# Altium PCB 主控板20160428.PcbDoc (part 1 of 3)
Units mm, origin at the board's own origin, x right, y up, seen from the top; angles counter-clockwise.
Board outline 105 x 80 mm, 2 copper layers (Top Layer, Bottom Layer); 88 components, 152 nets, 500 pads, 192 vias.
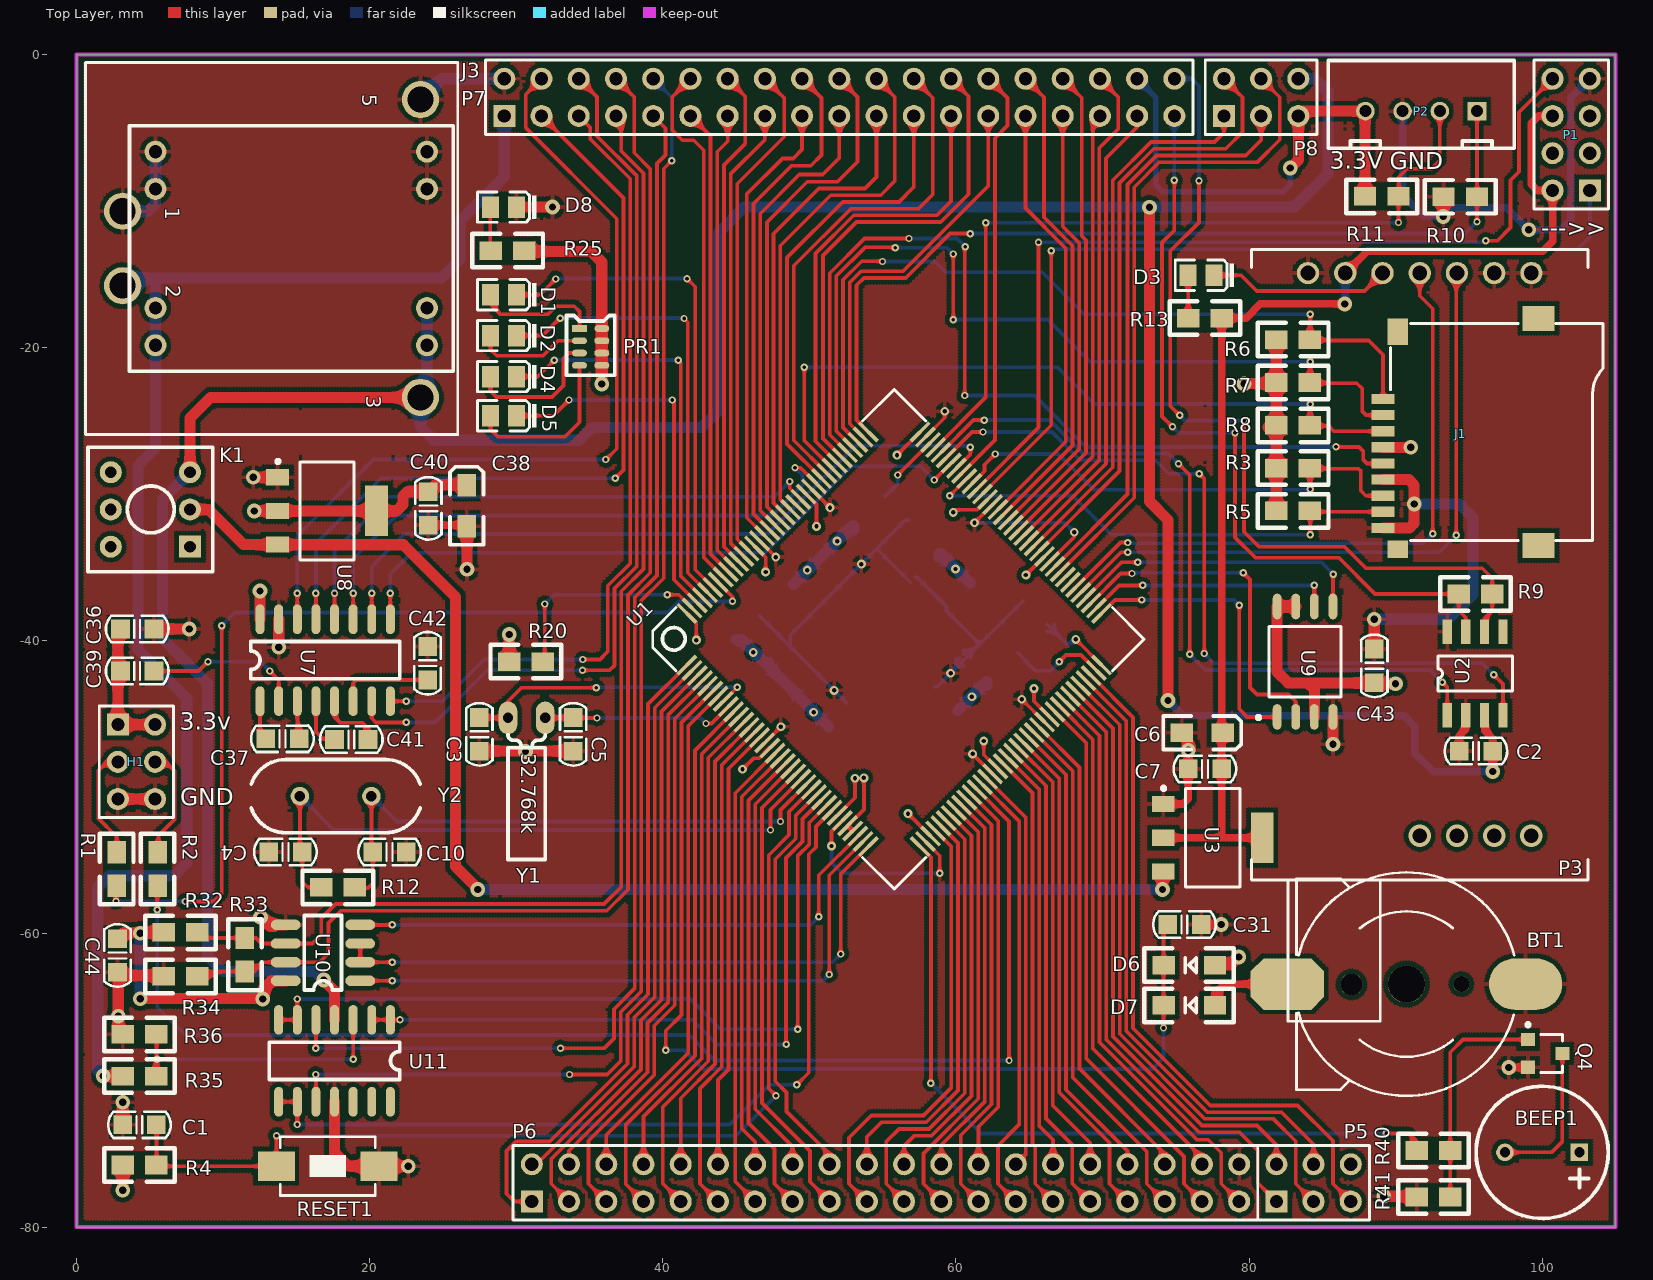
[diagram p0: Top Layer view]
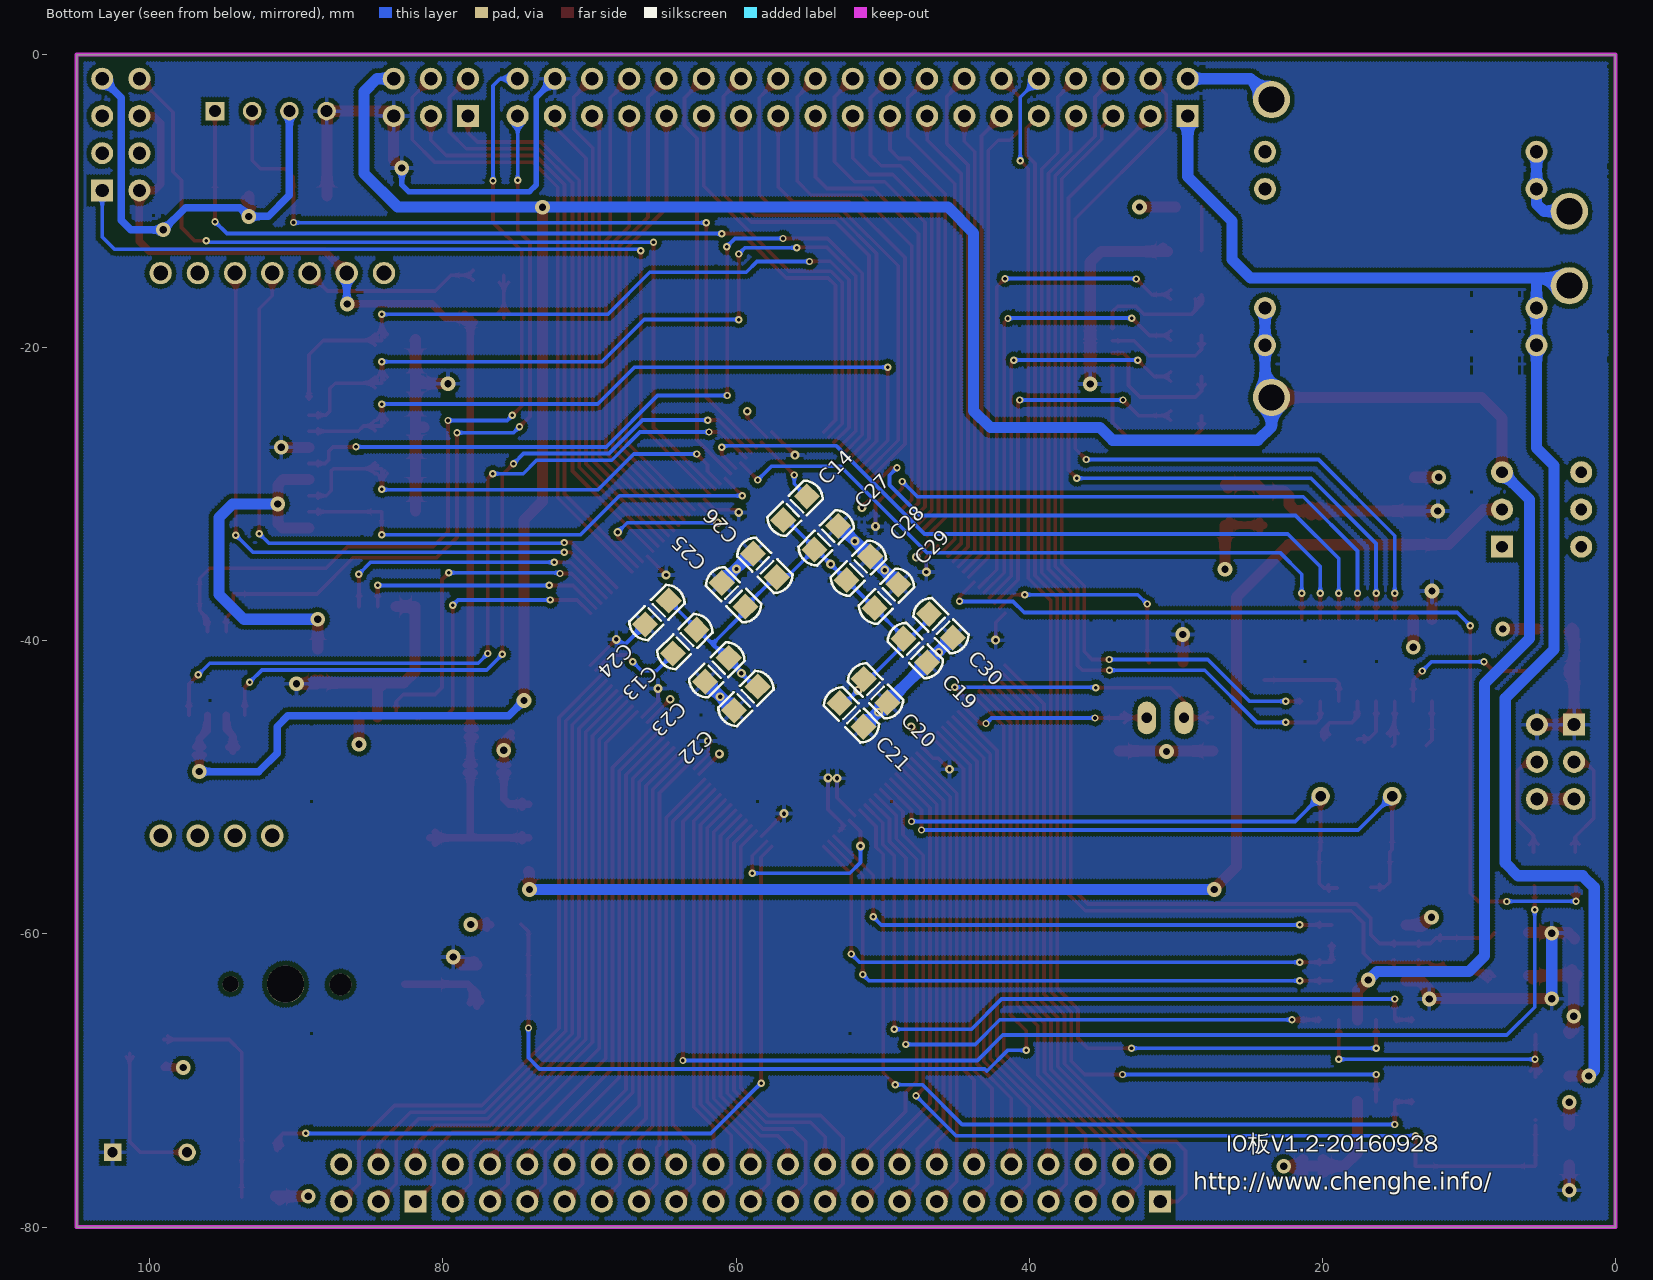
[diagram p1: Bottom Layer view, seen from below]
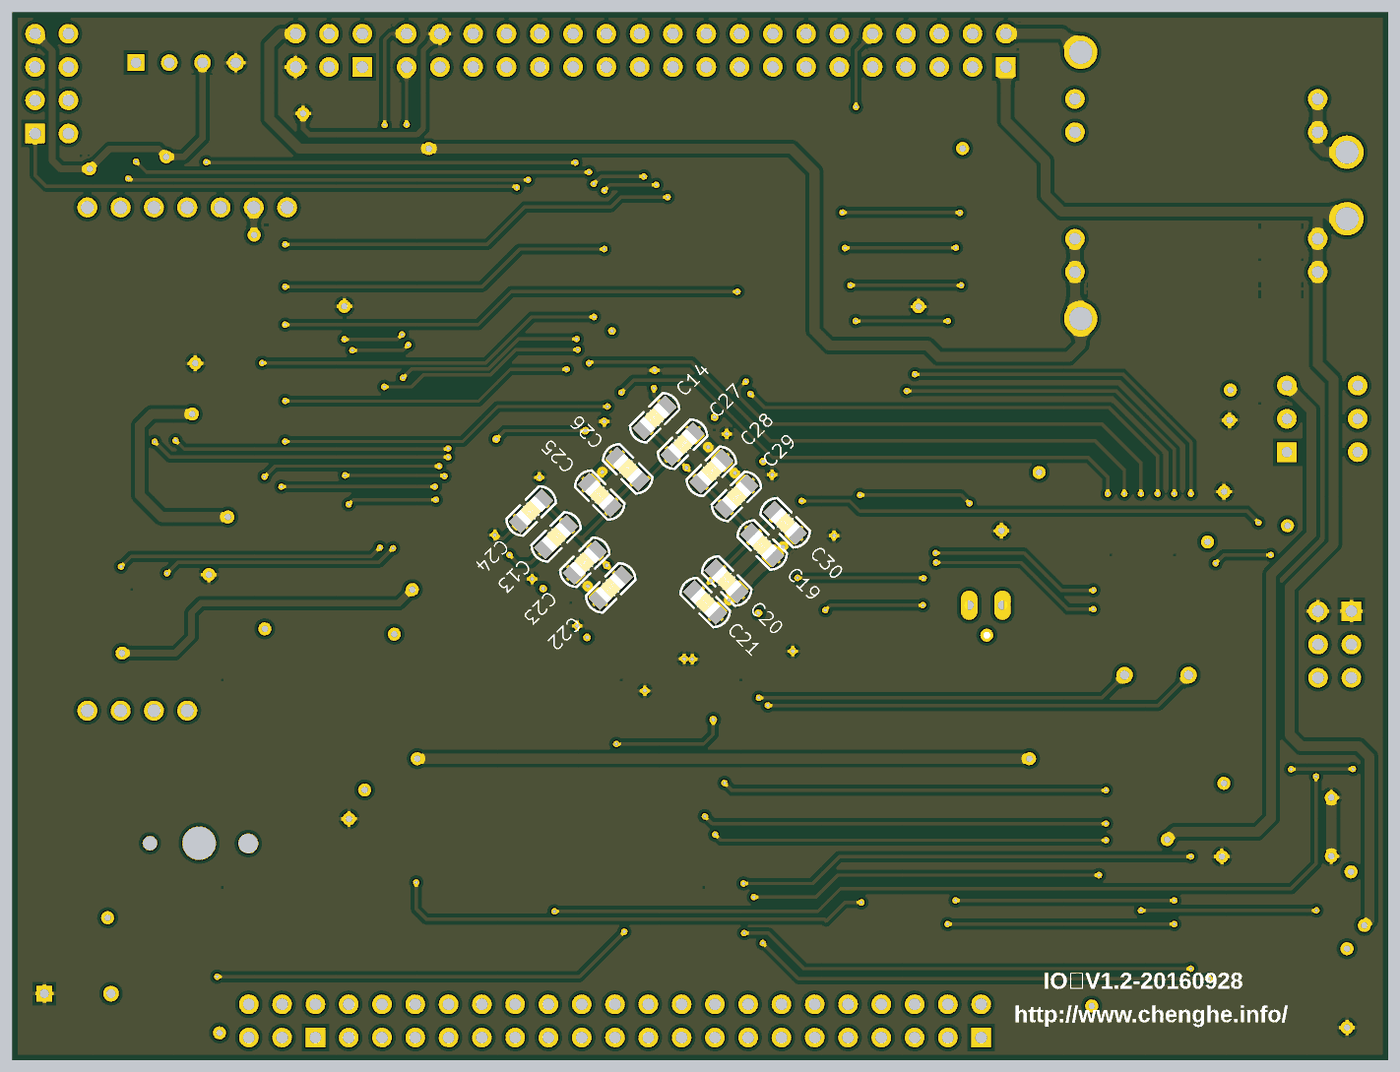
[diagram p4: 3D render of the assembled board from below, using the file's embedded part models]

## Layer stack, top to bottom
Top Layer: signal copper 0.0356
Dielectric: core 0.32, FR-4, Dk 4.8
Bottom Layer: signal copper 0.0356

## Board outline
0,0 105,0 105,-80 0,-80 0,0

## Design rules (kind name [scope] priority, off if disabled: settings)
Clearance [All] p1: gap=0.3
HoleToHoleClearance [All] p1: gap=0.102 allowstackedmicrovias=TRUE
MinimumSolderMaskSliver [All] p1: minsoldermaskwidth=0
PolygonConnect [All] p1: connectstyle=Relief reliefconductorwidth=0.254 reliefentries=4 polygonreliefangle="90 Angle"
RoutingVias [All] p1: holewidth=0.711 width=1.27 viastyle="Through Hole" minholewidth=0.25 minwidth=0.5 maxholewidth=0.711 maxwidth=1.27
SilkToSilkClearance [All] p1: silktosilkclearance=-1
SilkscreenOverComponentPads [IsPad] p1: minsilkscreentomaskgap=-1
SolderMaskExpansion [All] p1: expansion=0.102
Width [All] p1: maxlimit=2.54 minlimit=0.152 preferedwidth=0.254
24 further rules are at their usual default settings.

## Components (designator, comment, footprint, x,y, rotation, side; value= is the part's Value field where it differs from the comment)
BEEP1 "BEEP" BELL-5 102.54,-74.905 r180 top
BT1 "Battery" CR1220 90.738,-63.424 r270 top locked
C1 "0.1uF" C0805 4.293,-73.025 r180 top
C2 "104" C0805 95.479,-47.523 r180 top
C3 "10pF" C0805 27.483,-46.38 r90 top
C4 "22pF" C0805 14.249,-54.407 r0 top
C5 "10pF" C0805 33.884,-46.38 r90 top
C6 "100uF/6.3V" 3216 76.81,-46.279 r0 top
C7 "0.1uF" C0805 76.987,-48.743 r0 top
C10 "22pF" C0805 21.361,-54.407 r180 top
C13 "2.2uF" C0805 63.495,-40.051 r135 bottom
C14 "2.2uF" C0805 55.977,-30.958 r315 bottom
C19 "0.1uF" C0805 47.773,-40.67 r225 bottom
C20 "0.1uF" C0805 50.484,-43.413 r225 bottom
C21 "0.1uF" C0805 52.125,-45.055 r225 bottom
C22 "0.1uF" C0805 59.33,-43.937 r315 bottom
C23 "0.1uF" C0805 61.311,-41.982 r315 bottom
C24 "0.1uF" C0805 65.4,-38.07 r315 bottom
C25 "0.1uF" C0805 60.168,-36.86 r45 bottom
C26 "0.1uF" C0805 58.034,-34.853 r45 bottom
C27 "0.1uF" C0805 53.853,-32.974 r135 bottom
C28 "0.1uF" C0805 51.652,-35.047 r135 bottom
C29 "0.1uF" C0805 49.738,-36.962 r135 bottom
C30 "0.1uF" C0805 46.02,-38.968 r225 bottom
C31 "0.1uF" C0805 75.59,-59.36 r180 top
C36 "0.1uF" C0805 4.14,-39.192 r180 top
C37 "0.1uF" C0805 14.046,-46.685 r0 top
C38 "100uF/6.3V" 3216 26.619,-30.785 r90 top
C39 "0.1uF" C0805 4.14,-42.062 r180 top
C40 "0.1uF" C0805 24.003,-30.963 r90 top
C41 "0.1uF" C0805 18.745,-46.736 r0 top
C42 "0.1uF" C0805 23.952,-41.529 r90 top
C43 "0.1uF" C0805 88.544,-41.707 r90 top
C44 "0.1uF" C0805 2.794,-61.468 r270 top
D1 "LED0" LC-0805_LED_S1 28.245,-16.383 r180 top
D2 "LED0" LC-0805_LED_S1 28.245,-19.177 r180 top
D3 "LED0" LC-0805_LED_S1 75.844,-15.062 r180 top
D4 "LED0" LC-0805_LED_S1 28.245,-21.971 r180 top
D5 "LED0" LC-0805_LED_S1 28.245,-24.638 r180 top
D6 "1N4148" DIDOE 77.673,-62.128 r180 top
D7 "1N4148" DIDOE 77.673,-64.872 r180 top
D8 "LED0" LC-0805_LED_S1 28.237,-10.407 r180 top
H1 "Header 3X2" HDR2X3 2.819,-45.72 r270 top
J1 "SDCARD-M" SDCARD-M 100.146,-25.753 r0 top
J3 "WD5-24S5A1" WD5-24S3V3 3.15,-10.693 r0 top locked
K1 "BUTTON" BTN8.5*8.5 7.737,-33.579 r180 top
P1 "WIFI" HDR2X4_CEN 103.251,-9.271 r90 top
P2 "Header 4H" IDE4 95.555,-3.861 r180 top
P3 "Header 7" AS50-T27 84.023,-14.91 r270 top locked
P5 "Header 3X2H" HDR2X3 81.864,-78.257 r0 top locked
P6 "MHDR2X20" DIP-2X20 31.064,-78.257 r0 top locked
P7 "MHDR2X19" DIP-2X19 29.185,-4.191 r0 top locked
P8 "Header 3X2H" HDR2X3 78.283,-4.191 r0 top locked
PR1 "1K" TPPZ 34.451,-18.69 r0 top
Q4 "S8050" SOT-23R 100.076,-68.148 r270 top
R1 "10K" 0805 2.743,-56.718 r90 top
R2 "10K" 0805 5.537,-54.432 r270 top
R3 "10K" 0805 84.15,-28.219 r180 top
R4 "10K" 0805 5.436,-75.768 r180 top
R5 "10K" 0805 84.15,-31.14 r180 top
R6 "10K" 0805 84.15,-19.456 r180 top
R7 "10K" 0805 84.15,-22.377 r180 top
R8 "10K" 0805 84.15,-25.298 r180 top
R9 "120R" 0805 96.596,-36.805 r180 top
R10 "10K" 0805 93.269,-9.703 r0 top
R11 "10K" 0805 87.909,-9.677 r0 top
R12 "1M" 0805 18.974,-56.82 r180 top
R13 "1k" 0805 78.13,-17.983 r180 top
R20 "0R" 0805 31.801,-41.427 r180 top
R25 "1k" 0805 30.556,-13.386 r180 top
R32 "360R" 0805 8.23,-59.893 r180 top
R33 "120R" 0805 11.481,-60.274 r270 top
R34 "360R" 0805 5.944,-62.89 r0 top
R35 "10K/1%" 0805 5.436,-69.706 r180 top
R36 "1K/1%" 0805 3.15,-66.853 r0 top
R40 "1K" 0805 91.44,-74.778 r0 top
R41 "10K" 0805 91.44,-77.953 r0 top
RESET1 "KEY_M" SW_PB2_A1 17.196,-75.844 r90 top
U1 "STM32F407ZET6" LQFP144 41.656,-41.656 r45 top locked
U2 "TJA1050" SOP-8 93.523,-45.085 r90 top
U3 "AMS1117" SOT-223 77.521,-53.442 r270 top
U7 "MAX3232CUE" SO-16 12.522,-44.12 r90 top
U8 "AMS1117" SOT-223 17.094,-31.14 r270 top
U9 "W25Q128" SOIC8_W 83.82,-41.427 r90 top
U10 "SP3485" SO-8 19.355,-63.195 r180 top
U11 "TLC2264" SO-14 21.412,-65.862 r270 top
Y1 "32.768K" XTAL-32768 31.979,-45.263 r180 top
Y2 "8MHz" XTAL_US 20.12,-50.597 r180 top

## Footprints (in the part's own frame and the unit in brackets; to place one, negate y for a bottom-side part, rotate by r counter-clockwise, add the part's x,y. Pads: shape width x height; smd on the part's side, far side on the other; paste and mask are expansions set on the pad)
0805 [mil]
  rect 60x50 smd: 1(0,0) 2(90,0)
  silkscreen extent -50,-45 140,45
3216 [mil]
  rect 60x50 smd: 1(55,0) 2(-55,0)
  silkscreen extent -105,-45 105,45, body extent -65,-31 61,32, height 63
AS50-T27 [mil]
  round 60 hole 39.37: 1(0,0) 2(0,100) 3(0,200) 4(0,300) 5(0,400) 6(0,500) 7(0,600)
  silkscreen extent -63,-152 2010,752
BELL-5 [mm]
  rect 1.2x1.2 hole 0.7: 1(0,0)
  round 1.2 hole 0.7: 2(5.08,0)
  silkscreen extent -1.97,-4.51 7.05,4.51
BTN8.5*8.5 [mm]
  rect 1.5x1.5 hole 0.8: 1(0,0)
  round 1.5 hole 0.8: 2(0,-2.54) 3(0,-5.08) 4(5.4,-5.08) 5(5.4,-2.54) 6(5.4,0)
  silkscreen extent -1.55,-6.79 6.95,1.71
C0805 [mil]
  rect 50x50 smd: 1(-45,0) 2(45,0)
  silkscreen extent -84,-36 84,36, body extent -39,-25 40,24, height 20
CR1220 [mm]
  round 1.1 hole 1.1: 0(0,3.75)
  round 2.54 hole 2.54: 0(0,0)
  round 1.5 hole 1.5: 0(0.025,-3.75)
  oct 3.5x5 smd: 1(0,-8.128)
  oval 3.5x5 smd: 2(0,8.128)
  silkscreen extent -7.62,-7.5 7.62,7.36
DIDOE [mil]
  rect 60x50 smd: 1(0,0) 2(137.8,0)
  silkscreen extent -50,-45 190,45
DIP-2X19 [mm]
  rect 1.5x1.5 hole 0.9: 1(0,0)
  round 1.5 hole 0.9: 2(0,2.54) 3(2.54,0) 4(2.54,2.54) 5(5.08,0) 6(5.08,2.54) 7(7.62,0) 8(7.62,2.54) 9(10.16,0) 10(10.16,2.54) 11(12.7,0) 12(12.7,2.54) 13(15.24,0) 14(15.24,2.54) 15(17.78,0) 16(17.78,2.54) 17(20.32,0) 18(20.32,2.54) 19(22.86,0) 20(22.86,2.54) 21(25.4,0) 22(25.4,2.54) 23(27.94,0) 24(27.94,2.54) 25(30.48,0) 26(30.48,2.54) 27(33.02,0) 28(33.02,2.54) 29(35.56,0) 30(35.56,2.54) 31(38.1,0) 32(38.1,2.54) 33(40.64,0) 34(40.64,2.54) 35(43.18,0) 36(43.18,2.54) 37(45.72,0) 38(45.72,2.54)
  silkscreen extent -1.27,-1.27 46.99,3.81
DIP-2X20 [mm]
  rect 1.5x1.5 hole 0.9: 1(0,0)
  round 1.5 hole 0.9: 2(0,2.54) 3(2.54,0) 4(2.54,2.54) 5(5.08,0) 6(5.08,2.54) 7(7.62,0) 8(7.62,2.54) 9(10.16,0) 10(10.16,2.54) 11(12.7,0) 12(12.7,2.54) 13(15.24,0) 14(15.24,2.54) 15(17.78,0) 16(17.78,2.54) 17(20.32,0) 18(20.32,2.54) 19(22.86,0) 20(22.86,2.54) 21(25.4,0) 22(25.4,2.54) 23(27.94,0) 24(27.94,2.54) 25(30.48,0) 26(30.48,2.54) 27(33.02,0) 28(33.02,2.54) 29(35.56,0) 30(35.56,2.54) 31(38.1,0) 32(38.1,2.54) 33(40.64,0) 34(40.64,2.54) 35(43.18,0) 36(43.18,2.54) 37(45.72,0) 38(45.72,2.54) 39(48.26,0) 40(48.26,2.54)
  silkscreen extent -1.27,-1.27 49.53,3.81
HDR2X3 [mm]
  rect 1.5x1.5 hole 0.9: 1(0,0)
  round 1.5 hole 0.9: 2(0,2.54) 3(2.54,0) 4(2.54,2.54) 5(5.08,0) 6(5.08,2.54)
  silkscreen extent -1.27,-1.27 6.35,3.81
HDR2X4_CEN [mm] "Connector;"
  rect 1.5x1.5 hole 0.9: 1(0,0)
  round 1.5 hole 0.9: 2(2.54,0) 3(5.08,0) 4(7.62,0) 5(0,2.54) 6(2.54,2.54) 7(5.08,2.54) 8(7.62,2.54)
  silkscreen extent -1.27,-1.27 8.89,3.81
IDE4 [mil]
  rect 50x50 hole 32: 1(0,0)
  round 50 hole 32: 2(100,0) 3(200,0) 4(300,0)
  silkscreen extent -100,-136 399,100
LC-0805_LED_S1 [mm]
  rect 1.16x1.47 smd: A(0.001,0) K(-1.779,0)
  silkscreen extent -3.13,-1.04 0.88,1.03, body extent -1.9,-0.62 0.12,0.62, height 1.1
LQFP144 [mm]
  rect 1.8x0.254 smd: 1(-0.009,0.001) 2(-0.009,-0.499) 3(-0.009,-0.999) 4(-0.009,-1.499) 5(-0.009,-1.999) 6(-0.009,-2.499) 7(-0.009,-2.999) 8(-0.009,-3.499) 9(-0.009,-3.999) 10(-0.009,-4.499) 11(-0.009,-4.999) 12(-0.009,-5.499) 13(-0.009,-5.999) 14(-0.009,-6.499) 15(-0.009,-6.999) 16(-0.009,-7.499) 17(-0.009,-7.999) 18(-0.009,-8.499) 19(-0.009,-8.999) 20(-0.009,-9.499) 21(-0.009,-9.999) 22(-0.009,-10.499) 23(-0.009,-10.999) 24(-0.009,-11.499) 25(-0.009,-11.999) 26(-0.009,-12.499) 27(-0.009,-12.999) 28(-0.009,-13.499) 29(-0.009,-13.999) 30(-0.009,-14.499) 31(-0.009,-14.999) 32(-0.009,-15.499) 33(-0.009,-15.999) 34(-0.009,-16.499) 35(-0.009,-16.999) 36(-0.009,-17.499) 73(22.491,-17.499) 74(22.491,-16.999) 75(22.491,-16.499) 76(22.491,-15.999) 77(22.491,-15.499) 78(22.491,-14.999) 79(22.491,-14.499) 80(22.491,-13.999) 81(22.491,-13.499) 82(22.491,-12.999) 83(22.491,-12.499) 84(22.491,-11.999) 85(22.491,-11.499) 86(22.491,-10.999) 87(22.491,-10.499) 88(22.491,-9.999) 89(22.491,-9.499) 90(22.491,-8.999) 91(22.491,-8.499) 92(22.491,-7.999) 93(22.491,-7.499) 94(22.491,-6.999) 95(22.491,-6.499) 96(22.491,-5.999) 97(22.491,-5.499) 98(22.491,-4.999) 99(22.491,-4.499) 100(22.491,-3.999) 101(22.491,-3.499) 102(22.491,-2.999) 103(22.491,-2.499) 104(22.491,-1.999) 105(22.491,-1.499) 106(22.491,-0.999) 107(22.491,-0.499) 108(22.491,0.001)
  rect 0.254x1.8 smd: 37(2.491,-19.999) 38(2.991,-19.999) 39(3.491,-19.999) 40(3.991,-19.999) 41(4.491,-19.999) 42(4.991,-19.999) 43(5.491,-19.999) 44(5.991,-19.999) 45(6.491,-19.999) 46(6.991,-19.999) 47(7.491,-19.999) 48(7.991,-19.999) 49(8.491,-19.999) 50(8.991,-19.999) 51(9.491,-19.999) 52(9.991,-19.999) 53(10.491,-19.999) 54(10.991,-19.999) 55(11.491,-19.999) 56(11.991,-19.999) 57(12.491,-19.999) 58(12.991,-19.999) 59(13.491,-19.999) 60(13.991,-19.999) 61(14.491,-19.999) 62(14.991,-19.999) 63(15.491,-19.999) 64(15.991,-19.999) 65(16.491,-19.999) 66(16.991,-19.999) 67(17.491,-19.999) 68(17.991,-19.999) 69(18.491,-19.999) 70(18.991,-19.999) 71(19.491,-19.999) 72(19.991,-19.999) 109(19.991,2.501) 110(19.491,2.501) 111(18.991,2.501) 112(18.491,2.501) 113(17.991,2.501) 114(17.491,2.501) 115(16.991,2.501) 116(16.491,2.501) 117(15.991,2.501) 118(15.491,2.501) 119(14.991,2.501) 120(14.491,2.501) 121(13.991,2.501) 122(13.491,2.501) 123(12.991,2.501) 124(12.491,2.501) 125(11.991,2.501) 126(11.491,2.501) 127(10.991,2.501) 128(10.491,2.501) 129(9.991,2.501) 130(9.491,2.501) 131(8.991,2.501) 132(8.491,2.501) 133(7.991,2.501) 134(7.491,2.501) 135(6.991,2.501) 136(6.491,2.501) 137(5.991,2.501) 138(5.491,2.501) 139(4.991,2.501) 140(4.491,2.501) 141(3.991,2.501) 142(3.491,2.501) 143(2.991,2.501) 144(2.491,2.501)
  silkscreen extent -0.81,-20.8 23.29,3.3
SDCARD-M [mm]
  rect 1.6x0.7 smd: 1(-11.008,2.25) 2(-11.008,1.15) 3(-11.008,0.05) 4(-11.008,-1.05) 5(-11.008,-2.15) 6(-11.008,-3.25) 7(-11.008,-4.35) 8(-11.008,-5.45) 9(-11.008,-6.55)
  rect 1.4x1.2 smd: 10(-10,-8.004)
  rect 2.2x1.7 smd: 11(-0.4,-7.75) 13(-0.4,7.75)
  rect 1.4x1.8 smd: 12(-10,6.85)
  silkscreen extent -10.5,-7.4 4,7.4
SO-8 [mil]
  oval 80x28 smd: 1(0,0) 2(0,-50) 3(0,-100) 4(0,-150) 5(200,-150) 6(200,-100) 7(200,-50) 8(200,0)
  silkscreen extent 50,-175 150,25
SO-14 [mil]
  oval 80x24 smd: 1(0,0) 2(0,-50) 3(0,-100) 4(0,-150) 5(0,-200) 6(0,-250) 7(0,-300) 8(220,-300) 9(220,-250) 10(220,-200) 11(220,-150) 12(220,-100) 13(220,-50) 14(220,0)
  silkscreen extent 60,-325 160,25
SO-16 [mil]
  oval 80x24 smd: 1(0,0) 2(0,-50) 3(0,-100) 4(0,-150) 5(0,-200) 6(0,-250) 7(0,-300) 8(0,-350) 9(220,-350) 10(220,-300) 11(220,-250) 12(220,-200) 13(220,-150) 14(220,-100) 15(220,-50) 16(220,0)
  silkscreen extent 60,-375 160,25
SOIC8_W [mm]
  oval 1.75x0.6 smd: 1(-3.768,1.905) 2(-3.768,0.635) 3(-3.768,-0.635) 4(-3.768,-1.905) 5(3.768,-1.905) 6(3.768,-0.635) 7(3.768,0.635) 8(3.768,1.905)
  silkscreen extent -3.93,-2.45 2.41,3.3
SOP-8 [mil]
  rect 65x25 smd: 1(0,0) 2(0,-50) 3(0,-100) 4(0,-150) 5(224.41,-150) 6(224.41,-100) 7(224.41,-50) 8(224.41,0)
  silkscreen extent 65,-175 159,25
SOT-23R [mm]
  rect 0.9x0.95 smd: 1(0.95,-1.048) 2(-0.95,-1.048) 3(0,1.302)
  silkscreen extent -2.07,-1.17 1.3,1.3
SOT-223 [mm]
  rect 1.1x1.55 smd: 1(-2.3,-3.375) 2(0,-3.375) 3(2.3,-3.375)
  rect 3.45x1.55 smd: 4(0,3.375)
  silkscreen extent -3.5,-3.48 3.35,1.85, body extent -3.3,-3.94 3.3,3.43, height 0.8
SW_PB2_A1 [mm]
  rect 2x2.5 smd: 1(0,3.556) 2(0,-3.444)
  silkscreen extent -2,-3.19 2,3.31, body extent -2.03,-3.17 2.03,3.3, height 1.2
TPPZ [mil]
  rect 40x18 smd: 1(-5.35,-0.18)
  oval 40x18 smd: 2(-5.35,-33.18) 3(-5.35,-66.18) 4(-5.35,-99.18) 5(54.65,-99.18) 6(54.65,-66.18) 7(54.65,-33.18)
  oval 39x18 smd: 8(54.65,-0.18)
  silkscreen extent -40,-126 90,35
WD5-24S3V3 [mm]
  round 2.54 hole 1.778: 1(0,0) 2(0,-5.08) 3(20.32,-12.7) 5(20.32,7.62)
  round 1.5 hole 0.9: 1(2.235,1.524) 1(2.235,4.064) 2(2.235,-9.144) 2(2.235,-6.604) 3(20.759,-9.144) 3(20.759,-6.604) 5(20.759,1.524) 5(20.759,4.064)
  silkscreen extent -2.54,-15.24 22.86,10.16
XTAL-32768 [mil]
  oval 50x88 hole 28: 1(0,0) 2(100,0)
  silkscreen extent 0,45 100,380, body extent -18,-28 118,396, height 126
XTAL_US [mil]
  round 50 hole 28: 1(0,0) 2(192.13,0)
  silkscreen extent -131,-98 323,98

## Part data
P1: library part "Header 4X2A", "Header, 4-Pin, Dual row"
P2: "Header,"
P3: library part Head
P5 P8: "Header, 3-Pin, Du"
P6 P7: "Heade"
Q4: library part NPN
U9: library part W25QXX

## Via types
v1: diameter 0.5, hole 0.25, Top Layer to Bottom Layer, 117 vias
v2: diameter 1, hole 0.5, Top Layer to Bottom Layer, 40 vias
v3: diameter 0.6, hole 0.3, Top Layer to Bottom Layer, 31 vias
v4: diameter 1.524, hole 1, Top Layer to Bottom Layer, 4 vias

## Nets (pads, with @x,y where several pads share a name; then routed paths per layer and width w, separated by ;. In a path a pad name is that pad's centre, name@x,y a point inside that pad or via, vN(x,y) a via of type N, cw(c..) or ccw(c..) an arc to the next point about the centre after c; other vN are vias at no path point)
3.3V: C6.1 C7.2 P1.5 P1.7 P3.2 R13.1 U3.2 U3.4 | length 99.8
  Top Layer w0.508: U3.2@74.146,-53.442 77.927,-53.442 ; U3.2@74.58,-53.651 cw(c75.085,-54.156) 75.085,-53.442 cw(c75.085,-52.727) U3.2@74.58,-53.232 ; C6.1@77.81,-46.548 cw(c77.037,-47.321) 78.13,-47.321 ; C6.1@77.81,-46.009 ccw(c77.037,-45.236) 78.13,-45.236 ; C7.2@77.861,-49.012 cw(c77.211,-49.662) 78.13,-49.662 cw(c79.05,-49.662) C7.2@78.4,-49.012 ; C7.2@77.861,-48.473 ccw(c77.211,-47.823) 78.13,-47.823 ccw(c79.05,-47.823) C7.2@78.4,-48.473 ; R13.1@77.861,-18.253 cw(c77.211,-18.903) 78.13,-18.903 cw(c79.05,-18.903) R13.1@78.4,-18.253 ; 78.13,-47.076 cw(c78.877,-47.076) C6.1@78.349,-46.548 ; 78.13,-45.482 ccw(c78.877,-45.482) C6.1@78.349,-46.009 ; R13.1@78.527,-18.253 cw(c79.177,-18.903) 79.177,-17.983 cw(c79.177,-17.063) R13.1@78.527,-17.714 ; U3.4@80.527,-53.81 ccw(c79.638,-54.699) 79.638,-53.442 ccw(c79.638,-52.184) U3.4@80.527,-53.073 ; U3.4@80.896,-53.442 77.927,-53.442 ; v2@86.364,-17.192 ccw(c85.944,-17.612) 85.944,-17.018 ccw(c85.944,-16.424) v2@86.364,-16.844 ; v2(86.538,-17.018) 80.772,-17.018 79.807,-17.983 R13.1@78.13,-17.983 C7.2@78.13,-48.743 78.13,-53.238 77.927,-53.442 ; P3.2@86.563,-14.91 88.062,-13.411 100.051,-13.411 100.711,-12.751 P1.5@100.711,-9.271 99.67,-9.271 99.263,-8.865 99.263,-4.699 99.771,-4.191 ; P3.2@86.563,-14.402 ccw(c86.563,-13.175) 87.43,-14.043 ccw(c88.298,-14.91) P3.2@87.071,-14.91 ; P1.7@100.301,-4.471 ccw(c99.771,-4.833) 99.771,-4.191 ; P1.7@100.301,-3.911 cw(c99.771,-3.549) 99.771,-4.191 ; P1.5@100.36,-9.622 cw(c99.514,-10.468) 100.711,-10.468 cw(c101.908,-10.468) P1.5@101.062,-9.622 ; P1.7@100.711,-4.191 99.771,-4.191
  Bottom Layer w0.508: P3.2@86.204,-15.269 cw(c85.337,-16.136) 86.563,-16.136 cw(c87.79,-16.136) P3.2@86.922,-15.269 ; v2@86.364,-16.844 ccw(c85.883,-16.363) 86.563,-16.363 ; v2(86.538,-17.018) 86.563,-16.993 P3.2@86.563,-14.91 ; 86.563,-16.485 ccw(c87.07,-16.485) v2@86.712,-16.844
AUX: D3.K P3.3 | length 17.5
  Top Layer w0.254: D3.K@77.944,-15.383 cw(c78.717,-16.156) 78.717,-15.062 cw(c78.717,-13.969) D3.K@77.944,-14.742 ; D3.K@78.13,-15.062 79.451,-15.062 80.518,-16.129 87.884,-16.129 P3.3@89.103,-14.91 ; P3.3@88.468,-14.91 cw(c86.935,-14.91) 88.019,-15.994 cw(c89.103,-17.078) P3.3@89.103,-15.545 ; P3.3@88.722,-14.91 cw(c87.802,-14.91) 88.453,-15.56 cw(c89.103,-16.211) P3.3@89.103,-15.291
BEEP: R40.1 U1.37 | length 56.8
  Top Layer w0.254: U1.37@57.559,-54.036 58.293,-54.77 v1(58.293,-70.18) ; v1@58.206,-70.093 ccw(c57.996,-69.883) 58.293,-69.883 ccw(c58.59,-69.883) v1@58.38,-70.093 ; v1(89.357,-73.609) 90.907,-73.609 ; v1@89.444,-73.696 cw(c89.654,-73.906) 89.654,-73.609 cw(c89.654,-73.312) v1@89.444,-73.522 ; R40.1@90.932,-74.441 ccw(c90.477,-74.039) 90.907,-73.609 ; 91.098,-73.8 cw(c90.68,-74.218) R40.1@91.123,-74.609 ; R40.1@91.286,-74.294 ccw(c91.229,-74.117) 91.415,-74.117 ; 91.289,-73.991 cw(c90.883,-74.397) R40.1@91.313,-74.778 ; R40.1@91.415,-74.727 91.415,-74.117 ; R40.1@91.547,-74.281 cw(c91.582,-74.117) 91.415,-74.117 ; 90.907,-73.609 91.415,-74.117
  Bottom Layer w0.254: v1@58.293,-70.303 cw(c58.293,-70.6) 58.503,-70.39 cw(c58.713,-70.18) v1@58.416,-70.18 ; v1(58.293,-70.18) 61.722,-73.609 v1@89.332,-73.609 ; v1@89.27,-73.696 ccw(c89.06,-73.906) 89.06,-73.609 ccw(c89.06,-73.312) v1@89.27,-73.522
BOOT0: R1.1 U1.138 | length 69.6
  Top Layer w0.254: R1.1@2.439,-57.252 cw(c2.057,-57.765) v1(2.696,-57.764) cw(c3.228,-57.765) R1.1@2.98,-57.295 ; v1@2.59,-57.702 ccw(c2.334,-57.554) R1.1@2.619,-57.478 ; v1@2.609,-57.677 ccw(c2.399,-57.467) 2.696,-57.467 ccw(c2.993,-57.467) v1@2.783,-57.677 ; R1.1@2.619,-57.476 ccw(c2.907,-57.399) v1@2.758,-57.657 ; v1@2.641,-57.654 ccw(c2.532,-57.435) 2.768,-57.499 ccw(c3.005,-57.562) v1@2.799,-57.696 ; R1.1@2.692,-56.744 2.696,-56.748 v1(2.696,-57.764) ; v1(7.417,-57.785) 9.347,-57.785 9.906,-57.226 v1(9.906,-38.964) ; v1@7.504,-57.872 cw(c7.714,-58.082) 7.714,-57.785 cw(c7.714,-57.488) v1@7.504,-57.698 ; v1@9.819,-39.051 cw(c9.609,-39.261) 9.906,-39.261 cw(c10.203,-39.261) v1@9.993,-39.051 ; U1.138@43.771,-36.005 44.755,-36.989 v1(44.755,-37.313) ; v1@44.668,-37.226 ccw(c44.458,-37.016) 44.755,-37.016 ccw(c45.052,-37.016) v1@44.842,-37.226
  Bottom Layer w0.254: v1(2.696,-57.764) 7.395,-57.764 v1(7.417,-57.785) ; v1@2.783,-57.851 cw(c2.993,-58.061) 2.993,-57.764 cw(c2.993,-57.467) v1@2.783,-57.677 ; 7.068,-57.764 cw(c7.068,-58.134) v1@7.33,-57.872 ; v1(9.906,-38.964) 10.799,-38.071 40.339,-38.071 41.097,-37.313 v1(44.755,-37.313) ; v1@9.906,-38.841 ccw(c9.906,-38.544) 10.116,-38.754 ccw(c10.326,-38.964) v1@10.029,-38.964 ; v1@44.668,-37.4 ccw(c44.458,-37.61) 44.458,-37.313 ccw(c44.458,-37.016) v1@44.668,-37.226
BOOT1: R2.2 U1.48 | length 88.7
  Top Layer w0.254: v1@5.425,-58.257 ccw(c5.215,-58.047) 5.512,-58.047 ccw(c5.809,-58.047) v1@5.599,-58.257 ; v1(5.512,-58.344) 5.512,-56.744 R2.2@5.537,-56.718 ; U1.48@61.448,-50.147 63.627,-52.326 v1(63.627,-68.631) ; v1@63.54,-68.544 ccw(c63.33,-68.334) 63.627,-68.334 ccw(c63.924,-68.334) v1@63.714,-68.544
  Bottom Layer w0.254: v1@5.425,-58.431 cw(c5.215,-58.641) 5.512,-58.641 cw(c5.809,-58.641) v1@5.599,-58.431 ; v1(5.512,-58.344) 5.512,-64.999 7.417,-66.904 41.808,-66.904 43.536,-68.631 v1(63.627,-68.631)
BY_KC1: P7.25 U1.115 | length 35.2
  Top Layer w0.254: U1.115@51.902,-27.873 50.419,-26.39 50.419,-13.575 53.021,-10.973 58.699,-10.973 59.665,-10.008 P7.25@59.665,-4.191 ; P7.25@59.224,-4.632 cw(c58.161,-5.695) 59.665,-5.695 cw(c61.169,-5.695) P7.25@60.105,-4.632 ; P7.25@59.404,-4.452 cw(c58.774,-5.082) 59.665,-5.082 cw(c60.555,-5.082) P7.25@59.926,-4.452
BY_KC2: P7.24 U1.117 | length 38.8
  Top Layer w0.254: U1.117@51.195,-28.58 48.932,-26.317 48.932,-14.416 52.832,-10.516 57.455,-10.516 58.42,-9.55 58.42,-2.946 P7.24@57.125,-1.651 ; P7.24@57.125,-2.274 cw(c57.125,-3.778) 58.188,-2.715 cw(c59.252,-1.651) P7.24@57.748,-1.651 ; P7.24@57.125,-2.02 cw(c57.125,-2.911) 57.755,-2.281 cw(c58.384,-1.651) P7.24@57.494,-1.651
BY_KC3: P7.23 U1.118 | length 35.3
  Top Layer w0.254: U1.118@50.842,-28.934 48.475,-26.567 48.475,-13.857 52.273,-10.058 56.109,-10.058 57.125,-9.042 P7.23@57.125,-4.191 ; P7.23@56.684,-4.632 cw(c55.621,-5.695) 57.125,-5.695 cw(c58.629,-5.695) P7.23@57.565,-4.632 ; P7.23@56.864,-4.452 cw(c56.234,-5.082) 57.125,-5.082 cw(c58.015,-5.082) P7.23@57.386,-4.452
BY_KR1: P7.35 U1.87 | length 32.5
  Top Layer w0.254: U1.87@64.984,-33.177 70.244,-27.917 70.244,-7.074 72.365,-4.953 ; P7.35@72.241,-4.802 cw(c72.21,-4.953) 72.365,-4.953 ; P7.35@72.365,-4.191 72.365,-4.953 ; P7.35@72.488,-4.802 ccw(c72.519,-4.953) 72.365,-4.953
BY_KR2: P7.34 U1.88 | length 38.1
  Top Layer w0.254: U1.88@64.63,-32.823 69.787,-27.667 69.787,-6.363 71.069,-5.08 71.069,-2.896 P7.34@69.825,-1.651 ; P7.34@69.825,-2.274 cw(c69.825,-3.778) 70.888,-2.715 cw(c71.952,-1.651) P7.34@70.448,-1.651 ; P7.34@69.825,-2.02 cw(c69.825,-2.911) 70.455,-2.281 cw(c71.084,-1.651) P7.34@70.194,-1.651
BY_KR3: P7.33 U1.89 | length 30.6
  Top Layer w0.254: U1.89@64.277,-32.47 69.329,-27.417 69.329,-4.686 P7.33@69.825,-4.191
CAN_H: P7.37 R9.2 U2.7 | length 56.1
  Top Layer w0.254: v1@74.655,-25.4 ccw(c74.358,-25.4) 74.568,-25.19 ccw(c74.778,-24.98) v1@74.778,-25.277 ; v1(74.778,-25.4) 74.066,-24.689 74.066,-12.827 74.905,-11.989 v1(74.905,-8.585) ; v1@74.818,-8.672 cw(c74.608,-8.882) 74.905,-8.882 cw(c75.202,-8.882) v1@74.992,-8.672 ; v1(79.045,-25.806) 79.045,-32.944 80.442,-34.341 86.131,-34.341 88.595,-36.805 R9.2@94.31,-36.805 94.31,-37.948 94.793,-38.43 ; U2.7@94.661,-38.74 ccw(c94.364,-38.43) 94.793,-38.43 ; U2.7@94.793,-39.385 94.793,-38.43 ; U2.7@94.925,-38.74 cw(c95.221,-38.43) 94.793,-38.43
  Bottom Layer w0.254: v1@74.778,-25.523 cw(c74.778,-25.82) 74.988,-25.61 cw(c75.198,-25.4) v1@74.901,-25.4 ; v1(74.778,-25.4) 75.184,-25.806 v1(79.045,-25.806) ; v1@74.818,-8.498 ccw(c74.608,-8.288) 74.905,-8.288 ccw(c75.202,-8.288) v1@74.992,-8.498 ; v1(74.905,-8.585) P7.37@74.905,-4.191 ; v1@78.958,-25.893 ccw(c78.748,-26.103) 78.748,-25.806 ccw(c78.748,-25.509) v1@78.958,-25.719
CAN_L: P7.38 R9.1 U2.6 | length 66.4
  Top Layer w0.254: v1@75.137,-24.613 ccw(c74.84,-24.613) 75.05,-24.403 ccw(c75.26,-24.193) v1@75.26,-24.49 ; v1(75.26,-24.613) 74.625,-23.978 74.625,-13.411 76.581,-11.455 v1(76.581,-8.611) ; v1@76.494,-8.698 cw(c76.284,-8.908) 76.581,-8.908 cw(c76.878,-8.908) v1@76.668,-8.698 ; v1@79.567,-25.055 cw(c79.357,-25.265) 79.654,-25.265 cw(c79.951,-25.265) v1@79.741,-25.055 ; v1(79.654,-24.968) 79.654,-32.563 80.67,-33.579 86.512,-33.579 87.986,-35.052 95.91,-35.052 96.596,-35.738 R9.1@96.596,-36.805 96.596,-37.922 ; U2.6@95.937,-38.734 ccw(c95.692,-38.456) 96.063,-38.456 ; U2.6@96,-38.882 cw(c96.722,-38.822) 96.209,-38.309 ; U2.6@96.063,-39.385 96.063,-38.456 ; U2.6@96.189,-38.734 cw(c96.434,-38.456) 96.063,-38.456 ; U2.6@96.253,-38.861 cw(c97.436,-38.762) 96.596,-37.922 ; 96.063,-38.456 96.596,-37.922
  Bottom Layer w0.254: P7.38@74.905,-1.651 76.098,-1.651 ; v1@75.26,-24.736 cw(c75.26,-25.033) 75.47,-24.823 cw(c75.68,-24.613) v1@75.383,-24.613 ; v1(75.26,-24.613) 75.616,-24.968 v1(79.654,-24.968) ; P7.38@75.416,-2.007 cw(c76.098,-2.483) 76.098,-1.651 ; P7.38@75.416,-1.295 ccw(c76.098,-0.819) 76.098,-1.651 ; v1@76.494,-8.524 ccw(c76.284,-8.314) 76.581,-8.314 ccw(c76.878,-8.314) v1@76.668,-8.524 ; v1(76.581,-8.611) 76.581,-2.134 76.098,-1.651 ; v1@79.567,-25.055 ccw(c79.357,-25.265) 79.357,-24.968 ccw(c79.357,-24.671) v1@79.567,-24.881
CAN_RX: U1.103 U2.4 | length 59.4
  Top Layer w0.254: U1.103@59.327,-27.52 61.091,-25.756 v1(61.849,-25.756) ; v1@61.762,-25.843 ccw(c61.552,-26.053) 61.552,-25.756 ccw(c61.552,-25.459) v1@61.762,-25.669 ; v1@76.606,-28.723 cw(c76.606,-29.02) 76.816,-28.81 cw(c77.026,-28.6) v1@76.729,-28.6 ; v1(76.606,-28.6) 76.937,-28.931 v1(76.937,-40.869) ; v1@76.85,-40.782 ccw(c76.64,-40.572) 76.937,-40.572 ccw(c77.234,-40.572) v1@77.024,-40.782 ; v1@96.698,-42.439 cw(c96.698,-42.736) 96.908,-42.526 cw(c97.118,-42.316) v1@96.821,-42.316 ; v1(96.698,-42.316) 97.333,-42.951 U2.4@97.333,-45.085 ; U2.4@97.198,-44.442 ccw(c96.873,-44.117) 97.333,-44.117 ccw(c97.793,-44.117) U2.4@97.468,-44.442
  Bottom Layer w0.254: v1(61.849,-25.756) 66.55,-25.756 68.481,-27.686 73.609,-27.686 74.524,-28.6 v1(76.606,-28.6) ; v1@61.936,-25.843 cw(c62.146,-26.053) 62.146,-25.756 cw(c62.146,-25.459) v1@61.936,-25.669 ; v1@76.519,-28.687 ccw(c76.309,-28.897) 76.309,-28.6 ccw(c76.309,-28.303) v1@76.519,-28.513 ; v1@76.937,-40.992 cw(c76.937,-41.289) 77.147,-41.079 cw(c77.357,-40.869) v1@77.06,-40.869 ; v1(76.937,-40.869) 77.597,-41.529 95.91,-41.529 v1(96.698,-42.316) ; v1@96.575,-42.316 ccw(c96.278,-42.316) 96.488,-42.106 ccw(c96.698,-41.896) v1@96.698,-42.193
CAN_TX: U1.104 U2.1 | length 56.5
  Top Layer w0.254: U1.104@58.973,-27.166 61.197,-24.943 v1(61.925,-24.943) ; v1@61.838,-25.03 ccw(c61.628,-25.24) 61.628,-24.943 ccw(c61.628,-24.646) v1@61.838,-24.856 ; v1@75.184,-28.038 cw(c75.184,-28.335) 75.394,-28.125 cw(c75.604,-27.915) v1@75.307,-27.915 ; v1(75.184,-27.915) 75.946,-28.677 v1(75.946,-40.919) ; v1@75.859,-40.832 ccw(c75.649,-40.622) 75.946,-40.622 ccw(c76.243,-40.622) v1@76.033,-40.832 ; v1@93.193,-42.947 cw(c93.193,-43.244) 93.403,-43.034 cw(c93.613,-42.824) v1@93.316,-42.824 ; v1(93.193,-42.824) 93.523,-43.155 U2.1@93.523,-45.085 ; U2.1@93.388,-44.442 ccw(c93.063,-44.117) 93.523,-44.117 ccw(c93.983,-44.117) U2.1@93.658,-44.442
  Bottom Layer w0.254: v1(61.925,-24.943) 66.384,-24.943 68.67,-27.229 74.498,-27.229 v1@75.159,-27.889 ; v1@62.012,-25.03 cw(c62.222,-25.24) 62.222,-24.943 cw(c62.222,-24.646) v1@62.012,-24.856 ; v1@75.061,-27.915 ccw(c74.764,-27.915) 74.974,-27.705 ccw(c75.184,-27.495) v1@75.184,-27.792 ; v1@75.946,-41.042 cw(c75.946,-41.339) 76.156,-41.129 cw(c76.366,-40.919) v1@76.069,-40.919 ; v1(75.946,-40.919) 77.013,-41.986 92.354,-41.986 v1(93.193,-42.824) ; v1@93.07,-42.824 ccw(c92.773,-42.824) 92.983,-42.614 ccw(c93.193,-42.404) v1@93.193,-42.701
DJ1_KC1: P7.16 U1.132 | length 38.2
  Top Layer w0.254: U1.132@45.892,-33.884 45.085,-33.077 45.085,-8.814 48.285,-5.613 48.285,-2.972 P7.16@46.965,-1.651 ; P7.16@46.965,-2.274 cw(c46.965,-3.778) 48.028,-2.715 cw(c49.092,-1.651) P7.16@47.588,-1.651 ; P7.16@46.965,-2.02 cw(c46.965,-2.911) 47.595,-2.281 cw(c48.224,-1.651) P7.16@47.334,-1.651
DJ1_KC2: P7.15 U1.133 | length 35.2
  Top Layer w0.254: U1.133@45.538,-34.237 44.628,-33.327 44.628,-8.153 46.965,-5.817 P7.15@46.965,-4.191 ; P7.15@46.524,-4.632 cw(c45.461,-5.695) 46.965,-5.695 cw(c48.469,-5.695) P7.15@47.405,-4.632 ; P7.15@46.704,-4.452 cw(c46.074,-5.082) 46.965,-5.082 cw(c47.855,-5.082) P7.15@47.226,-4.452
DJ1_KC3: P7.14 U1.134 | length 38.2
  Top Layer w0.254: P7.14@44.425,-2.274 cw(c44.425,-3.778) 45.488,-2.715 cw(c46.552,-1.651) P7.14@45.048,-1.651 ; P7.14@44.425,-2.02 cw(c44.425,-2.911) 45.055,-2.281 cw(c45.684,-1.651) P7.14@44.794,-1.651 ; P7.14@44.425,-1.651 45.618,-2.845 45.618,-6.096 44.171,-7.544 44.171,-33.577 U1.134@45.185,-34.591
DJ2_KC1: P7.19 U1.127 | length 35.3
  Top Layer w0.254: U1.127@47.66,-32.116 46.646,-31.102 46.646,-10.86 49.314,-8.191 50.914,-8.191 52.045,-7.061 P7.19@52.045,-4.191 ; P7.19@51.604,-4.632 cw(c50.541,-5.695) 52.045,-5.695 cw(c53.549,-5.695) P7.19@52.485,-4.632 ; P7.19@51.784,-4.452 cw(c51.154,-5.082) 52.045,-5.082 cw(c52.935,-5.082) P7.19@52.306,-4.452
DJ2_KC2: P7.18 U1.128 | length 38.3
  Top Layer w0.254: U1.128@47.306,-32.47 46.189,-31.352 46.189,-10.174 48.781,-7.582 50.102,-7.582 50.825,-6.858 50.825,-2.972 P7.18@49.505,-1.651 ; P7.18@49.505,-2.274 cw(c49.505,-3.778) 50.568,-2.715 cw(c51.632,-1.651) P7.18@50.128,-1.651 ; P7.18@49.505,-2.02 cw(c49.505,-2.911) 50.135,-2.281 cw(c50.764,-1.651) P7.18@49.874,-1.651
DJ2_KC3: P7.17 U1.129 | length 34.9
  Top Layer w0.254: U1.129@46.953,-32.823 45.731,-31.602 45.731,-9.514 48.158,-7.087 48.895,-7.087 49.505,-6.477 P7.17@49.505,-4.191 ; P7.17@49.064,-4.632 cw(c48.001,-5.695) 49.505,-5.695 cw(c51.009,-5.695) P7.17@49.945,-4.632 ; P7.17@49.244,-4.452 cw(c48.614,-5.082) 49.505,-5.082 cw(c50.395,-5.082) P7.17@49.766,-4.452
DJ3_KC1: P7.13 U1.135 | length 35.3
  Top Layer w0.254: P7.13@43.984,-4.632 cw(c42.921,-5.695) 44.425,-5.695 cw(c45.929,-5.695) P7.13@44.865,-4.632 ; P7.13@44.164,-4.452 cw(c43.534,-5.082) 44.425,-5.082 cw(c45.315,-5.082) P7.13@44.686,-4.452 ; P7.13@44.425,-4.191 44.425,-5.918 43.713,-6.629 43.713,-33.827 U1.135@44.831,-34.944
DJ3_KC2: P7.11 U1.136 | length 35.9
  Top Layer w0.254: P7.11@41.885,-4.814 cw(c41.885,-6.318) 42.948,-5.255 cw(c44.012,-4.191) P7.11@42.508,-4.191 ; P7.11@41.885,-4.56 cw(c41.885,-5.451) 42.515,-4.821 cw(c43.144,-4.191) P7.11@42.254,-4.191 ; P7.11@41.885,-4.191 43.256,-5.563 43.256,-34.077 U1.136@44.478,-35.298
DJ3_KC3: P7.12 U1.137 | length 40.2
  Top Layer w0.254: P7.12@41.262,-1.651 cw(c39.758,-1.651) 40.821,-2.715 cw(c41.885,-3.778) P7.12@41.885,-2.274 ; P7.12@41.516,-1.651 cw(c40.625,-1.651) 41.255,-2.281 cw(c41.885,-2.911) P7.12@41.885,-2.02 ; P7.12@41.885,-1.651 40.64,-2.896 40.64,-5.156 41.326,-5.842 42.113,-5.842 42.799,-6.528 42.799,-34.326 U1.137@44.124,-35.652
DJ4_KC1: P7.22 U1.124 | length 39.2
  Top Layer w0.254: U1.124@48.72,-31.055 48.017,-30.353 48.017,-13.044 51.46,-9.601 54.864,-9.601 55.829,-8.636 55.829,-2.896 P7.22@54.585,-1.651 ; P7.22@54.585,-2.274 cw(c54.585,-3.778) 55.648,-2.715 cw(c56.712,-1.651) P7.22@55.208,-1.651 ; P7.22@54.585,-2.02 cw(c54.585,-2.911) 55.215,-2.281 cw(c55.844,-1.651) P7.22@54.954,-1.651
DJ4_KC2: P7.21 U1.125 | length 36.1
  Top Layer w0.254: U1.125@48.367,-31.409 47.56,-30.602 47.56,-12.231 50.648,-9.144 53.797,-9.144 54.585,-8.357 P7.21@54.585,-4.191 ; P7.21@54.144,-4.632 cw(c53.081,-5.695) 54.585,-5.695 cw(c56.089,-5.695) P7.21@55.025,-4.632 ; P7.21@54.324,-4.452 cw(c53.694,-5.082) 54.585,-5.082 cw(c55.475,-5.082) P7.21@54.846,-4.452
DJ4_KC3: P7.20 U1.126 | length 38.5
  Top Layer w0.254: U1.126@48.013,-31.762 47.103,-30.852 47.103,-11.444 49.86,-8.687 51.918,-8.687 53.289,-7.315 53.289,-2.896 P7.20@52.045,-1.651 ; P7.20@52.045,-2.274 cw(c52.045,-3.778) 53.108,-2.715 cw(c54.172,-1.651) P7.20@52.668,-1.651 ; P7.20@52.045,-2.02 cw(c52.045,-2.911) 52.675,-2.281 cw(c53.304,-1.651) P7.20@52.414,-1.651
DWQ1: P7.9 U11.5 | length 89.8
  Top Layer w0.254: U11.5@16.206,-66.699 cw(c15.903,-67.003) 16.332,-67.003 cw(c16.761,-67.003) U11.5@16.458,-66.699 ; v1@16.245,-67.706 ccw(c16.035,-67.496) 16.332,-67.496 ccw(c16.629,-67.496) v1@16.419,-67.706 ; v1(16.332,-67.793) U11.5@16.332,-65.862 ; v1(33.02,-67.793) 36.017,-67.793 36.678,-67.132 36.678,-65.132 38.079,-63.731 38.079,-37.068 39.603,-35.544 39.603,-7.43 40.183,-6.85 40.183,-5.029 P7.9@39.345,-4.191 ; v1@33.107,-67.88 cw(c33.317,-68.09) 33.317,-67.793 cw(c33.317,-67.496) v1@33.107,-67.706
  Bottom Layer w0.254: v1(16.332,-67.793) v1(33.02,-67.793) ; v1@16.419,-67.88 cw(c16.629,-68.09) 16.629,-67.793 cw(c16.629,-67.496) v1@16.419,-67.706 ; v1@32.933,-67.88 ccw(c32.723,-68.09) 32.723,-67.793 ccw(c32.723,-67.496) v1@32.933,-67.706
DWQ1_ADC: U1.28 U11.6 U11.7 | length 57.7
  Top Layer w0.254: U11.7@13.792,-65.862 U11.6@15.062,-65.862 v1(15.062,-64.44) ; U11.7@13.918,-65.988 cw(c14.221,-66.291) 14.221,-65.862 cw(c14.221,-65.433) U11.7@13.918,-65.736 ; U11.6@14.936,-65.988 ccw(c14.633,-66.292) 14.633,-65.862 ccw(c14.633,-65.433) U11.6@14.936,-65.736 ; U11.6@14.936,-65.025 ccw(c14.633,-64.722) 15.062,-64.722 ccw(c15.491,-64.722) U11.6@15.188,-65.025 ; v1@14.975,-64.527 cw(c14.765,-64.737) 15.062,-64.737 cw(c15.359,-64.737) v1@15.149,-64.527 ; v1@49.113,-66.41 ccw(c48.903,-66.2) 49.2,-66.2 ccw(c49.497,-66.2) v1@49.287,-66.41 ; v1(49.2,-66.497) 49.2,-54.684 49.991,-53.893 49.991,-52.412 U1.28@51.195,-51.208
  Bottom Layer w0.254: v1(15.062,-64.44) 41.885,-64.44 43.942,-66.497 v1(49.2,-66.497) ; v1@15.149,-64.527 cw(c15.359,-64.737) 15.359,-64.44 cw(c15.359,-64.143) v1@15.149,-64.353 ; v1@49.113,-66.584 ccw(c48.903,-66.794) 48.903,-66.497 ccw(c48.903,-66.2) v1@49.113,-66.41
DWQ2: P7.10 U11.10 | length 95
  Top Layer w0.254: U11.10@16.206,-70.613 ccw(c15.903,-70.31) 16.332,-70.31 ccw(c16.761,-70.31) U11.10@16.458,-70.613 ; v1@16.245,-69.683 cw(c16.035,-69.893) 16.332,-69.893 cw(c16.629,-69.893) v1@16.419,-69.683 ; U11.10@16.332,-71.45 v1(16.332,-69.596) ; v1(33.63,-69.596) 36.213,-69.596 37.135,-68.675 37.135,-65.322 38.536,-63.921 38.536,-37.258 40.06,-35.734 40.06,-7.794 v1(40.615,-7.239) ; v1@33.717,-69.683 cw(c33.927,-69.893) 33.927,-69.596 cw(c33.927,-69.299) v1@33.717,-69.509
  Bottom Layer w0.254: v1(16.332,-69.596) v1(33.63,-69.596) ; v1@16.419,-69.683 cw(c16.629,-69.893) 16.629,-69.596 cw(c16.629,-69.299) v1@16.419,-69.509 ; v1@33.543,-69.683 ccw(c33.333,-69.893) 33.333,-69.596 ccw(c33.333,-69.299) v1@33.543,-69.509 ; P7.10@39.345,-1.651 40.615,-2.921 v1(40.615,-7.239) ; v1@40.528,-7.152 ccw(c40.318,-6.942) 40.615,-6.942 ccw(c40.912,-6.942) v1@40.702,-7.152
DWQ2_ADC: U1.29 U11.8 U11.9 | length 61.6
  Top Layer w0.254: U11.8@13.792,-71.45 U11.9@15.062,-71.45 v1(15.062,-73) ; U11.8@13.918,-71.576 cw(c14.221,-71.879) 14.221,-71.45 cw(c14.221,-71.021) U11.8@13.918,-71.324 ; U11.9@14.936,-72.287 cw(c14.633,-72.591) 15.062,-72.591 cw(c15.491,-72.591) U11.9@15.188,-72.287 ; U11.9@14.936,-71.576 ccw(c14.633,-71.879) 14.633,-71.45 ccw(c14.633,-71.021) U11.9@14.936,-71.324 ; v1@14.975,-72.913 ccw(c14.765,-72.703) 15.062,-72.703 ccw(c15.359,-72.703) v1@15.149,-72.913 ; v1(49.149,-70.282) 49.962,-69.469 49.962,-54.569 50.448,-54.082 50.448,-52.662 U1.29@51.549,-51.561 ; v1@49.149,-70.159 ccw(c49.149,-69.862) 49.359,-70.072 ccw(c49.569,-70.282) v1@49.272,-70.282
  Bottom Layer w0.254: v1(15.062,-73) 44.577,-73 47.295,-70.282 v1(49.149,-70.282) ; v1@15.149,-73.087 cw(c15.359,-73.297) 15.359,-73 cw(c15.359,-72.703) v1@15.149,-72.913 ; v1@49.062,-70.369 ccw(c48.852,-70.579) 48.852,-70.282 ccw(c48.852,-69.985) v1@49.062,-70.195
F_CS: U1.73 U9.1 | length 22.3
  Top Layer w0.254: U1.73@69.933,-38.126 70.849,-37.211 v1(72.669,-37.211) ; v1@72.582,-37.298 ccw(c72.372,-37.508) 72.372,-37.211 ccw(c72.372,-36.914) v1@72.582,-37.124 ; v1@79.237,-37.654 cw(c79.027,-37.864) 79.324,-37.864 cw(c79.621,-37.864) v1@79.411,-37.654 ; v1(79.324,-37.567) 79.324,-44.653 79.866,-45.195 U9.1@81.915,-45.195 ; U9.1@81.793,-45.318 ccw(c81.497,-45.613) 81.497,-45.195 ccw(c81.497,-44.778) U9.1@81.793,-45.073
  Bottom Layer w0.254: v1(72.669,-37.211) 78.969,-37.211 v1(79.324,-37.567) ; v1@72.756,-37.298 cw(c72.966,-37.508) 72.966,-37.211 cw(c72.966,-36.914) v1@72.756,-37.124 ; v1@79.201,-37.567 ccw(c78.904,-37.567) 79.114,-37.357 ccw(c79.324,-37.147) v1@79.324,-37.444